# Altium PCB ecoVENTV_v1.1.PcbDoc (part 3 of 3) (continued)
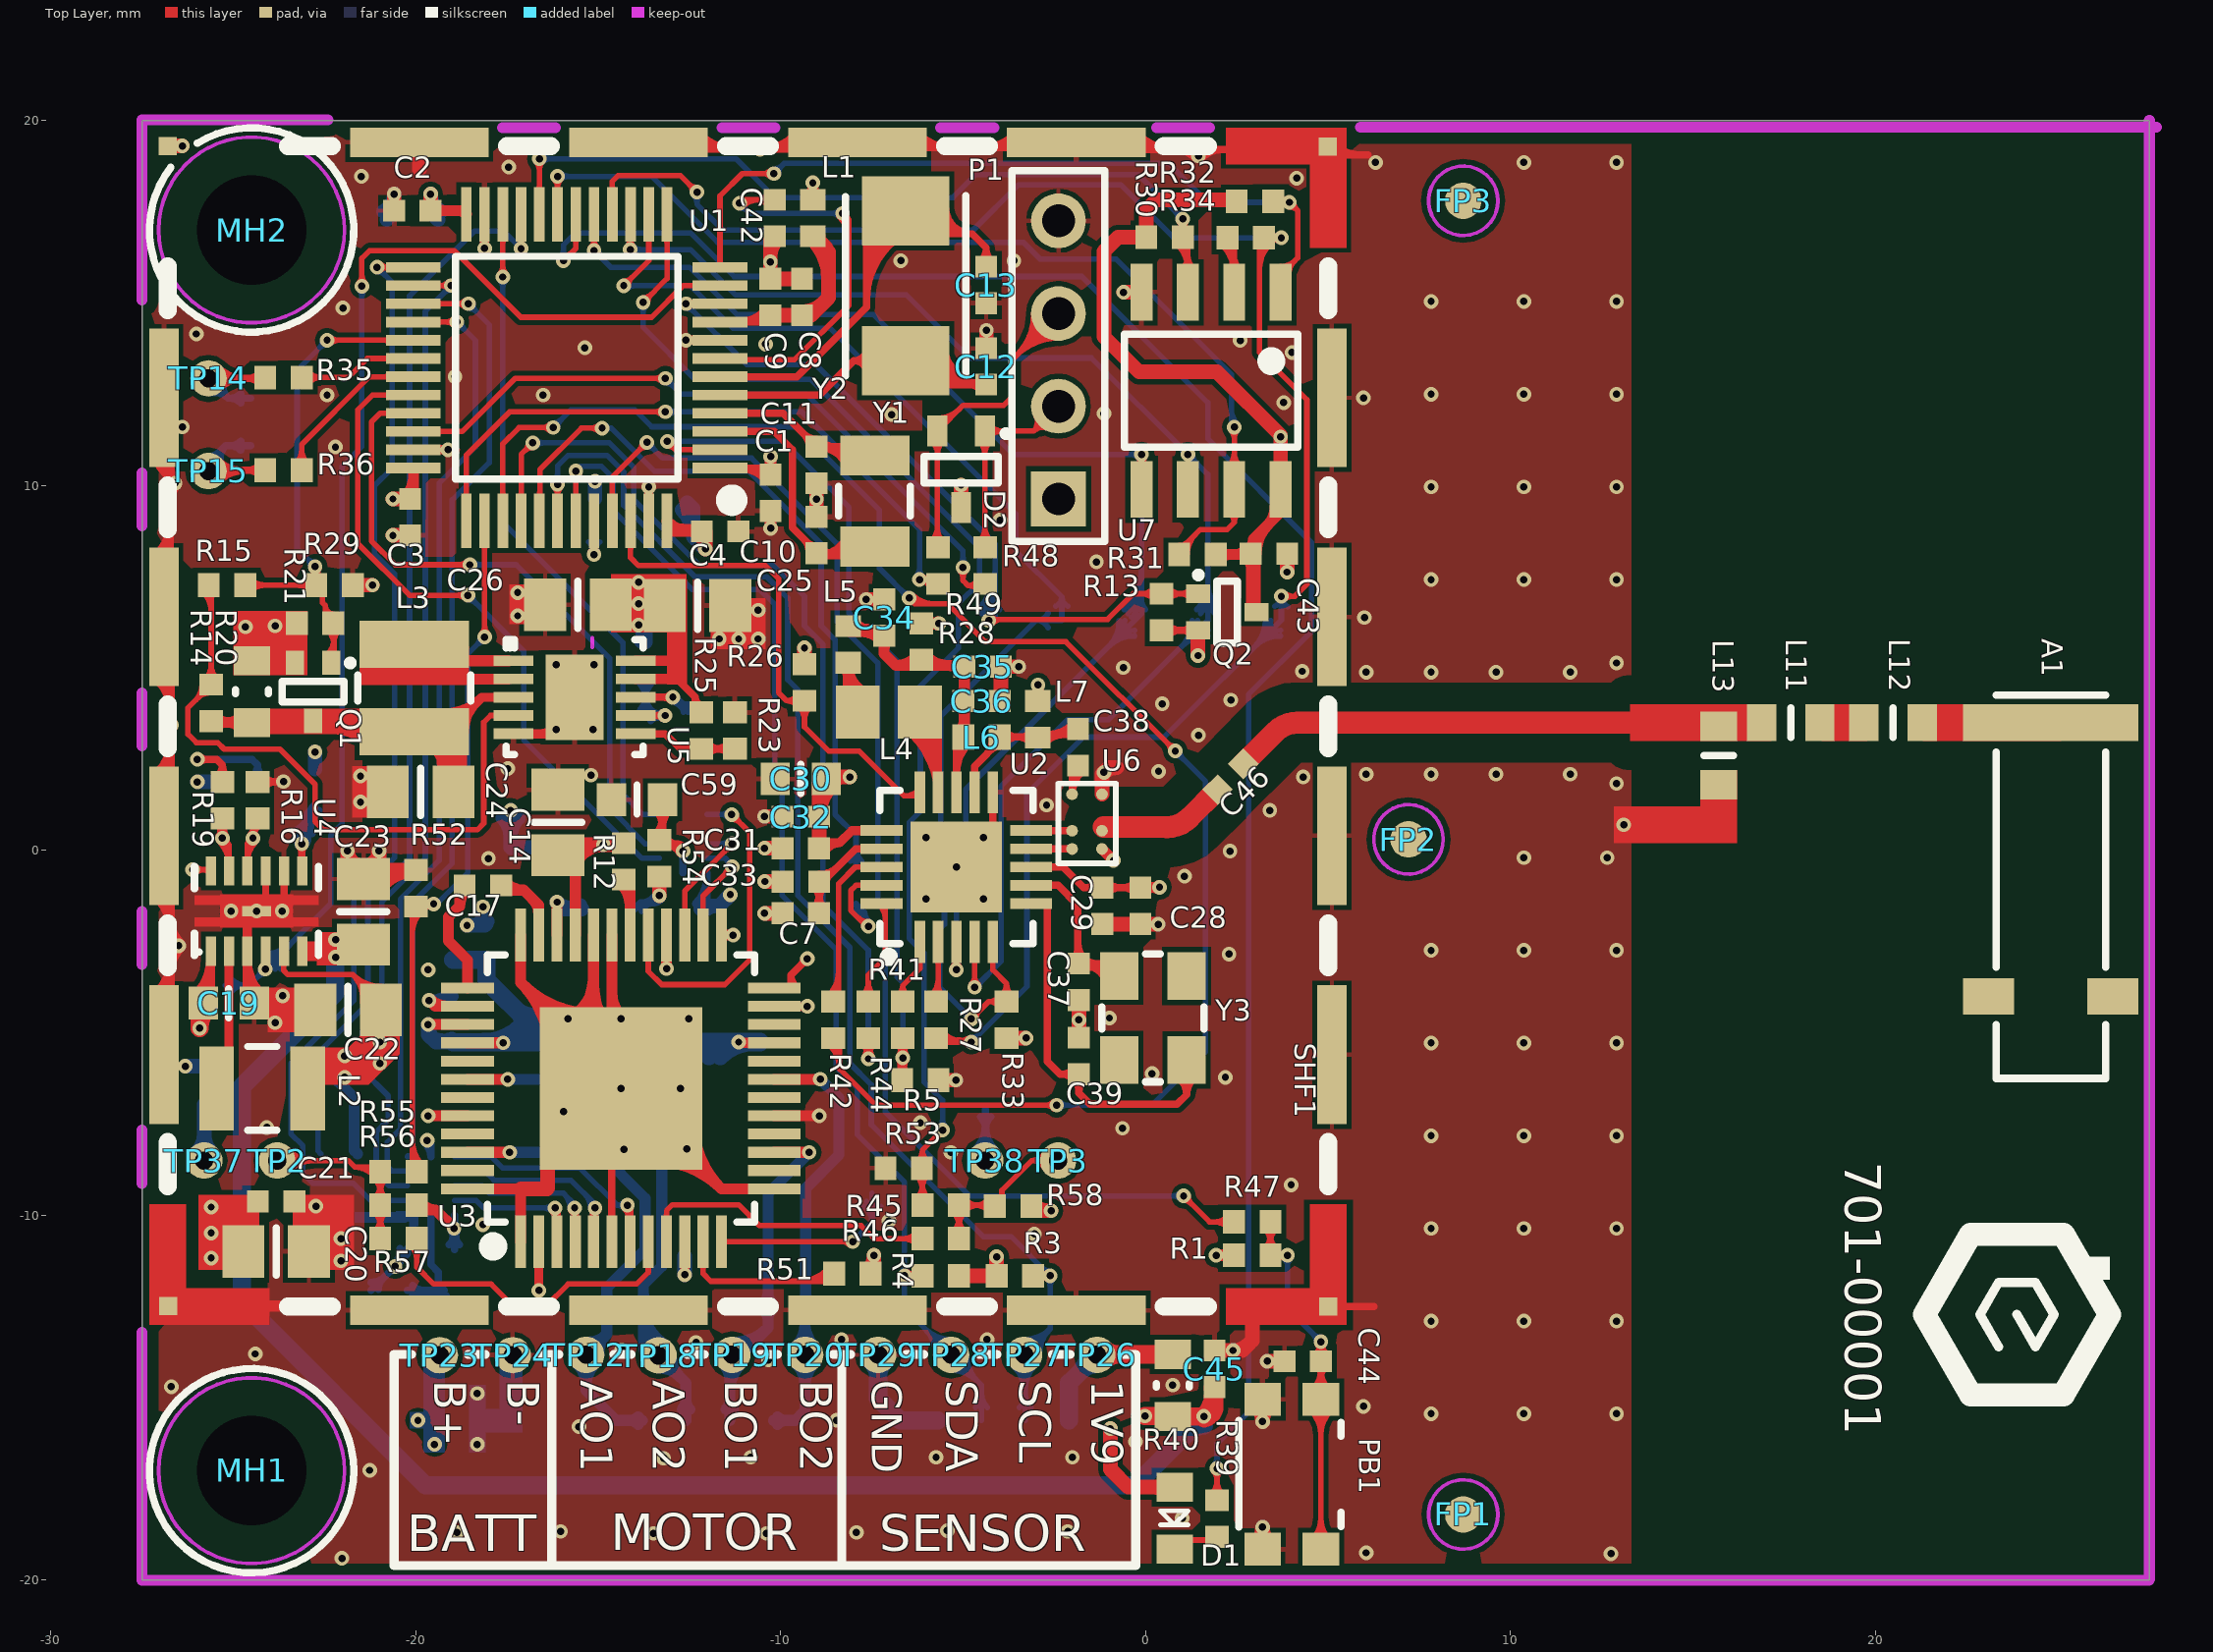
[diagram p0: Top Layer view]
## Nets (pads, with @x,y where several pads share a name; then routed paths per layer and width w, separated by ;. In a path a pad name is that pad's centre, name@x,y a point inside that pad or via, vN(x,y) a via of type N, cw(c..) or ccw(c..) an arc to the next point about the centre after c; other vN are vias at no path point) (continued)
SPI1_CLK: TP32.1 U1.15 U2.4 U7.6 | length 47.3
  Top Layer w0.15: v1@-14.214,16.551 ccw(c-14.45,16.787) U1.15@-14.116,16.787 ; v1@-14.188,16.571 ccw(c-14.27,16.713) -14.112,16.67 ccw(c-14.031,16.648) v1@-14.069,16.574 ; U1.15@-14.166,16.773 cw(c-14.285,16.653) -14.116,16.653 cw(c-13.947,16.653) U1.15@-14.067,16.773 ; v1@-14.116,16.462 U1.15@-14.116,17.427 ; U1.15@-14.116,16.741 ccw(c-13.847,16.741) v1@-14.037,16.551 ; v1@-4.777,-3.665 ccw(c-4.99,-3.452) -4.688,-3.452 ccw(c-4.387,-3.452) v1@-4.6,-3.665 ; U2.4@-4.738,-2.987 cw(c-4.857,-3.107) -4.688,-3.107 cw(c-4.519,-3.107) U2.4@-4.639,-2.987 ; v1(-4.688,-3.754) U2.4@-4.688,-2.508 ; U7.6@1.155,9.467 U7.6@1.155,9.893
  Bottom Layer w0.15: v1(-14.126,16.462) -12.475,16.462 -11.23,15.218 -6.556,15.218 -4.829,13.491 -1.487,13.491 v1(1.155,10.849) 1.7,10.304 TP32.1@1.7,6.3 -1.015,3.585 -2.137,3.585 -3.966,1.756 -3.966,-3.045 -4.675,-3.754 v1(-4.688,-3.754) ; v1@-14.037,16.374 cw(c-13.824,16.161) -13.824,16.462 cw(c-13.824,16.764) v1@-14.037,16.551 ; v1@-4.688,-3.629 ccw(c-4.688,-3.294) -4.451,-3.531 ; v1@-4.563,-3.754 cw(c-4.295,-3.754) -4.485,-3.564 ; v1@1.03,10.849 ccw(c0.728,10.849) 0.942,11.062 ccw(c1.155,11.276) v1@1.155,10.974 ; v1@1.155,10.724 cw(c1.155,10.422) 1.368,10.636 cw(c1.582,10.849) v1@1.28,10.849 ; TP32.1@1.275,6.3 cw(c0.249,6.3) 0.974,5.574 cw(c1.7,4.849) TP32.1@1.7,5.875 ; TP32.1@1.399,6.601 ccw(c0.674,7.326) 1.7,7.326 ccw(c2.726,7.326) TP32.1@2.001,6.601 ; TP32.1@1.425,6.3 cw(c0.761,6.3) 1.231,5.831 cw(c1.7,5.361) TP32.1@1.7,6.025 ; TP32.1@1.506,6.494 ccw(c1.036,6.964) 1.7,6.964 ccw(c2.364,6.964) TP32.1@1.894,6.494
SPI1_MISO: R27.2 R34.2 TP30.1 U1.16 | length 62
  Top Layer w0.15: U1.16@-14.666,18.082 ccw(c-14.785,18.201) -14.616,18.201 ccw(c-14.447,18.201) U1.16@-14.567,18.082 ; U1.16@-14.616,17.427 -14.616,18.334 -14.456,18.494 -12.754,18.494 v1(-12.297,18.037) ; v1@-12.422,18.037 ccw(c-12.724,18.037) -12.51,18.251 ccw(c-12.297,18.464) v1@-12.297,18.162 ; R27.2@-5.744,-5.145 -5.634,-5.255 v1(-4.778,-5.255) ; R27.2@-5.666,-5.092 ccw(c-5.273,-4.699) -5.273,-5.255 ; R27.2@-5.559,-4.986 ccw(c-4.911,-4.337) v1@-4.911,-5.255 ; -5.159,-5.188 ccw(c-5.05,-4.784) v1@-4.841,-5.146 ; -4.999,-5.231 cw(c-5.047,-5.409) v1@-4.887,-5.317 ; v1@-4.867,-5.343 ccw(c-5.08,-5.556) -5.08,-5.255 ccw(c-5.08,-4.953) v1@-4.867,-5.166 ; 3.121,15.929 cw(c4.07,15.929) R34.2@3.399,16.6 ; 3.121,16.291 cw(c3.708,16.291) R34.2@3.293,16.706 ; R34.2@3.414,16.642 cw(c3.715,16.395) v1(3.715,16.784) ; R34.2@3.414,16.927 ccw(c3.715,17.174) v1(3.715,16.784) ; v1@3.593,16.76 ccw(c3.495,16.74) 3.521,16.837 ccw(c3.546,16.933) v1@3.622,16.867 ; v1@3.593,16.809 cw(c3.495,16.829) 3.521,16.732 cw(c3.546,16.635) v1@3.622,16.702 ; v1@3.627,16.696 ccw(c3.414,16.483) 3.414,16.784 ccw(c3.414,17.086) v1@3.627,16.873 ; v1(3.715,6.963) 4.086,6.963 4.416,7.293 4.416,12.348 3.121,13.643 3.121,16.665 R34.2@3.24,16.784 v1(3.715,16.784) ; v1@3.804,6.874 cw(c4.017,6.661) 4.017,6.963 cw(c4.017,7.265) v1@3.804,7.051
  Bottom Layer w0.15: v1@-12.385,17.949 cw(c-12.599,17.735) -12.297,17.735 cw(c-11.995,17.735) v1@-12.208,17.949 ; v1(-12.297,18.037) -12.297,17.707 -11.586,16.996 -4.728,16.996 -3.483,18.24 -0.689,18.24 0.767,16.784 v1(3.715,16.784) ; v1(-4.778,-5.255) -3.254,-3.731 -3.254,1.553 -1.705,3.102 0.505,3.102 3.715,6.313 v1(3.715,6.963) ; v1@-4.778,-5.13 ccw(c-4.778,-4.828) -4.565,-5.041 ccw(c-4.352,-5.255) v1@-4.653,-5.255 ; 2.973,5.57 ccw(c2.242,6.3) TP30.1@3.275,6.3 ; 2.979,5.576 cw(c3.7,4.856) TP30.1@3.7,5.875 ; 3.229,5.826 ccw(c2.754,6.3) TP30.1@3.425,6.3 ; 3.235,5.833 cw(c3.7,5.368) TP30.1@3.7,6.025 ; TP30.1@3.535,6.692 ccw(c3.421,6.963) v1(3.715,6.963) ; v1@3.627,6.874 cw(c3.414,6.661) 3.715,6.661 cw(c4.017,6.661) v1@3.804,6.874 ; v1@3.627,16.696 ccw(c3.414,16.483) 3.414,16.784 ccw(c3.414,17.086) v1@3.627,16.873 ; TP30.1@3.89,6.68 cw(c4.031,6.963) v1(3.715,6.963)
SPI1_MOSI: TP31.1 U1.17 U2.3 U7.5 | length 47.4
  Top Layer w0.15: v1@-15.205,16.524 ccw(c-15.418,16.738) -15.116,16.738 ccw(c-14.814,16.738) v1@-15.028,16.524 ; U1.17@-15.166,16.773 cw(c-15.285,16.653) -15.116,16.653 cw(c-14.947,16.653) U1.17@-15.067,16.773 ; v1(-15.116,16.436) U1.17@-15.116,17.427 ; v1@-5.277,-3.185 ccw(c-5.49,-2.972) -5.188,-2.972 ccw(c-4.887,-2.972) v1@-5.1,-3.185 ; U2.3@-5.238,-2.987 cw(c-5.357,-3.107) -5.188,-3.107 cw(c-5.019,-3.107) U2.3@-5.139,-2.987 ; v1(-5.188,-3.273) U2.3@-5.188,-2.508 ; U7.5@-0.259,10.541 ccw(c-0.516,10.849) v1(-0.115,10.849) ; v1@-0.203,10.761 cw(c-0.417,10.547) -0.115,10.547 cw(c0.187,10.547) v1@-0.027,10.761 ; v1@-0.2,10.757 cw(c-0.275,10.677) -0.169,10.649 cw(c-0.063,10.62) v1@-0.087,10.727 ; v1@-0.143,10.727 cw(c-0.167,10.62) -0.061,10.649 cw(c0.045,10.677) v1@-0.03,10.757 ; U7.5@-0.115,9.893 v1(-0.115,10.849) ; U7.5@0.029,10.541 cw(c0.286,10.849) v1(-0.115,10.849)
  Bottom Layer w0.15: v1@-15.116,16.311 cw(c-15.116,16.009) -14.903,16.222 cw(c-14.689,16.436) v1@-14.991,16.436 ; v1(-15.116,16.436) -14.66,15.98 -12.5,15.98 -11.205,14.684 -7.471,14.684 -3.635,10.849 v1(-0.115,10.849) -0.115,6.485 TP31.1@-0.3,6.3 -4.931,1.669 -4.931,0.054 -4.753,-0.123 -4.753,-0.784 -5.188,-1.22 v1(-5.188,-3.273) ; v1@-5.277,-3.185 ccw(c-5.49,-2.972) -5.188,-2.972 ccw(c-4.887,-2.972) v1@-5.1,-3.185 ; TP31.1@-0.725,6.3 cw(c-1.751,6.3) -1.026,5.574 cw(c-0.3,4.849) TP31.1@-0.3,5.875 ; TP31.1@-0.601,6.601 ccw(c-1.773,7.773) -0.115,7.773 ; TP31.1@-0.575,6.3 cw(c-1.239,6.3) -0.769,5.831 cw(c-0.3,5.361) TP31.1@-0.3,6.025 ; TP31.1@-0.494,6.494 ccw(c-1.411,7.411) -0.115,7.411 ; TP31.1@-0.388,6.388 ccw(c-1.048,7.048) -0.115,7.048 ; v1@-0.203,10.937 cw(c-0.417,11.151) -0.417,10.849 cw(c-0.417,10.547) -0.203,10.761 cw(c-0.417,10.547) -0.115,10.547 cw(c0.187,10.547) v1@-0.027,10.761 ; -0.115,6.879 ccw(c0.279,6.879) TP31.1@0.001,6.601
SPI2_CLK: U1.26 U9.3 | length 29
  Top Layer w0.15: U1.26@-20.066,15.477 v1(-19.028,15.477) ; U1.26@-19.412,15.428 cw(c-19.292,15.308) -19.292,15.477 cw(c-19.292,15.646) U1.26@-19.412,15.527 ; v1@-19.116,15.389 ccw(c-19.33,15.175) -19.33,15.477 ccw(c-19.33,15.779) v1@-19.116,15.565
  Bottom Layer w0.15: U9.3@-20.237,-9.192 -20.73,-9.192 -21.085,-8.836 -21.085,-7.718 -20.755,-7.388 -20.755,-6.728 -21.466,-6.017 -21.466,-4.95 -20.933,-4.416 -20.933,-1.419 -19.739,-0.225 -19.739,14.766 v1(-19.028,15.477) ; v1@-19.153,15.477 cw(c-19.455,15.477) -19.241,15.264 cw(c-19.028,15.05) v1@-19.028,15.352
SPI2_CS: U1.25 U9.2 | length 32.2
  Top Layer w0.15: v1(-21.06,15.98) -21.057,15.977 U1.25@-20.066,15.977 ; v1@-20.971,15.891 cw(c-20.765,15.685) U1.25@-20.765,15.977 ; v1@-20.971,16.068 ccw(c-20.751,16.288) U1.25@-20.751,15.977 ; U1.25@-20.721,15.928 ccw(c-20.84,15.808) -20.84,15.977 ccw(c-20.84,16.146) U1.25@-20.721,16.027
  Bottom Layer w0.15: v1@-21.111,15.98 v1(-21.06,15.98) -20.653,15.573 -20.653,10.468 -21.136,9.985 -21.136,8.131 -20.576,7.571 -20.576,-0.199 -21.695,-1.318 -21.695,-4.112 -23.422,-5.839 -23.422,-7.769 -23.092,-8.099 -23.092,-8.861 -22.825,-9.128 -21.707,-9.128 -21.244,-9.592 U9.2@-20.237,-9.592 ; v1@-21.06,15.855 cw(c-21.06,15.553) -20.846,15.766 cw(c-20.633,15.98) v1@-20.935,15.98
SPI2_MISO: U1.27 U9.5 | length 27.3
  Top Layer w0.15: U1.27@-20.066,14.977 v1(-18.558,14.977) ; U1.27@-19.412,14.928 cw(c-19.292,14.808) -19.292,14.977 cw(c-19.292,15.146) U1.27@-19.412,15.027 ; v1@-18.647,14.889 ccw(c-18.86,14.675) -18.86,14.977 ccw(c-18.86,15.279) v1@-18.647,15.065
  Bottom Layer w0.15: U9.5@-20.237,-8.392 -20.222,-8.377 -20.09,-8.377 -20.09,-1.44 -19.002,-0.352 -19.002,9.604 -17.986,10.62 -17.986,14.405 v1(-18.558,14.977) ; v1@-18.558,14.852 cw(c-18.558,14.55) -18.345,14.764 cw(c-18.132,14.977) v1@-18.433,14.977
SPI2_MOSI: U1.28 U9.4 | length 27.4
  Top Layer w0.15: U1.28@-20.066,14.477 v1@-18.875,14.477 ; U1.28@-19.412,14.428 cw(c-19.292,14.308) -19.292,14.477 cw(c-19.292,14.646) U1.28@-19.412,14.527 ; -19.187,14.477 ccw(c-19.187,14.793) v1@-18.964,14.57 ; -19.167,14.477 cw(c-19.167,14.19) v1@-18.964,14.393
  Bottom Layer w0.15: U9.4@-20.237,-8.792 -20.647,-8.792 -20.78,-8.658 -20.78,-7.998 -20.425,-7.642 -20.425,-1.343 -19.358,-0.276 -19.358,10.062 -18.367,11.052 -18.367,13.973 v1(-18.875,14.481) ; v1@-18.875,14.356 cw(c-18.875,14.054) -18.662,14.268 cw(c-18.449,14.481) v1@-18.75,14.481
SWCLK: D2.2 P1.3 R49.1 | length 17.1
  Top Layer w0.15: R49.1@-5.877,8.46 ccw(c-6.285,8.868) -5.708,8.868 ; D2.2@-5.849,11.201 cw(c-6.191,10.86) -5.708,10.86 cw(c-5.225,10.86) D2.2@-5.566,11.201 ; R49.1@-5.708,8.265 D2.2@-5.708,11.493 -5.005,12.195 -3.889,12.195 -3.635,12.449 -3.635,13.465 P1.3@-2.391,14.71 ; -5.708,8.82 ccw(c-5.199,8.82) R49.1@-5.559,8.46 ; D2.2@-5.708,11.693 ccw(c-5.708,12.175) -5.366,11.834 ; D2.2@-5.708,11.843 ccw(c-5.708,12.688) -5.11,12.09 ; P1.3@-3.066,14.71 cw(c-4.695,14.71) -3.543,13.558 cw(c-2.391,12.405) P1.3@-2.391,14.035 ; P1.3@-2.916,14.71 cw(c-4.183,14.71) -3.287,13.814 cw(c-2.391,12.917) P1.3@-2.391,14.185 ; P1.3@-2.766,14.71 cw(c-3.671,14.71) -3.031,14.07 cw(c-2.391,13.429) P1.3@-2.391,14.335
SWDIO: D2.1 P1.2 R48.1 | length 8.8
  Top Layer w0.15: R48.1@-4.556,8.46 ccw(c-4.915,8.819) -4.408,8.819 ; D2.1@-4.549,11.201 cw(c-4.891,10.86) -4.408,10.86 cw(c-3.925,10.86) D2.1@-4.266,11.201 ; -4.408,8.869 ccw(c-3.829,8.869) R48.1@-4.238,8.46 ; R48.1@-4.397,8.25 -4.408,8.261 D2.1@-4.408,11.493 -3.068,11.493 ; D2.1@-4.266,11.351 cw(c-3.925,11.01) -3.925,11.493 cw(c-3.925,11.975) D2.1@-4.266,11.634 ; P1.2@-3.001,11.881 cw(c-3.31,11.734) -3.068,11.493 ; P1.2@-2.68,11.56 ccw(c-2.826,11.251) -3.068,11.493 ; P1.2@-2.391,12.17 -3.068,11.493
TX1: D3.2 R35.1 TP14.1 | length 6.9
  Top Layer w0.2: TP14.1@-25.683,12.932 -24.151,12.932 R35.1@-24.125,12.957 ; TP14.1@-25.4,12.649 cw(c-24.717,11.966) -24.717,12.932 cw(c-24.717,13.897) TP14.1@-25.4,13.215 ; -24.609,12.932 ccw(c-24.609,13.416) R35.1@-24.267,13.074 ; -24.607,12.932 cw(c-24.607,12.45) R35.1@-24.267,12.791
  Bottom Layer w0.2: TP14.1@-25.683,12.932 -25.139,12.388 ; TP14.1@-25.613,12.538 cw(c-25.52,12.007) -25.139,12.388 ; TP14.1@-25.289,12.863 ccw(c-24.758,12.769) -25.139,12.388 ; D3.2@-24.797,12.264 ccw(c-25.095,11.966) -25.095,12.388 ccw(c-25.095,12.81) D3.2@-24.797,12.512 ; D3.2@-24.523,12.388 -25.139,12.388
USART1_RX: R36.2 U1.31 | length 5.6
  Top Layer w0.15: R36.2@-23.284,10.601 ccw(c-23.668,10.985) -23.125,10.985 ccw(c-22.582,10.985) R36.2@-22.966,10.601 ; R36.2@-23.125,10.417 -23.125,11.12 -21.269,12.977 U1.31@-20.066,12.977 ; U1.31@-20.721,12.928 ccw(c-20.84,12.808) -20.84,12.977 ccw(c-20.84,13.146) U1.31@-20.721,13.027
USART1_TX: R35.2 U1.30 | length 4.4
  Top Layer w0.15: R35.2@-23.125,12.957 -21.847,12.957 -21.327,13.477 U1.30@-20.066,13.477 ; R35.2@-22.966,12.798 cw(c-22.582,12.414) -22.582,12.957 cw(c-22.582,13.5) R35.2@-22.966,13.116 ; U1.30@-20.721,13.428 ccw(c-20.84,13.308) -20.84,13.477 ccw(c-20.84,13.646) U1.30@-20.721,13.527
VIN: C19.1 C20.1 C21.1 C28.1 C29.1 C30.1 C31.1 C32.1 L7.2 P3.2 Q1.2 R17.1 R19.1 R20.2 R21.1 R26.1 R28.1 R33.1 TP6.1 TP23.1 U2.8 U2.16 U4.1 U4.12 | length 29.6
  Top Layer w0.15: v1(-26.114,-0.53) U4.12@-25.613,-0.53 ; v1@-26.026,-0.619 cw(c-25.813,-0.832) -25.813,-0.53 cw(c-25.813,-0.228) v1@-26.026,-0.442 ; -25.849,-0.53 cw(c-25.849,-0.798) U4.12@-25.659,-0.609
  Top Layer w0.2: v1(-25.987,2.492) -25.454,2.492 -25.302,2.34 ; v1@-25.917,2.422 cw(c-25.746,2.251) -25.746,2.492 cw(c-25.746,2.734) v1@-25.917,2.563 ; v1@-25.632,-9.75 v1(-25.606,-9.776) ; R19.1@-25.439,2.02 ccw(c-25.743,2.34) -25.302,2.34 ; R19.1@-25.302,1.875 -25.302,2.34 ; R19.1@-25.164,2.02 cw(c-24.861,2.34) -25.302,2.34 ; U2.8@-3.238,-0.458 -2.261,-0.458 -1.698,-1.021 C29.1@-1.19,-1.021 C28.1@-0.149,-1.021 0.37,-1.021 v1(0.378,-1.013) ; C29.1@-1.332,-1.162 ccw(c-1.673,-1.504) -1.673,-1.021 ccw(c-1.673,-0.538) C29.1@-1.332,-0.879 ; C29.1@-1.049,-1.162 cw(c-0.707,-1.504) -0.707,-1.021 cw(c-0.707,-0.538) C29.1@-1.049,-0.879 ; C28.1@-0.29,-1.162 ccw(c-0.632,-1.504) -0.632,-1.021 ccw(c-0.632,-0.538) C28.1@-0.29,-0.879 ; C28.1@-0.007,-1.162 cw(c0.334,-1.504) 0.334,-1.021 cw(c0.334,-0.538) C28.1@-0.007,-0.879 ; C28.1@0.117,-1.021 ccw(c0.117,-0.752) v1@0.307,-0.942 ; C28.1@0.125,-0.965 ccw(c0.186,-0.736) v1@0.321,-0.931 ; C28.1@0.135,-1.074 cw(c0.201,-1.319) v1@0.328,-1.099 ; 0.152,-1.07 ccw(c0.093,-0.848) v1@0.291,-0.963 ; 0.156,-1.021 cw(c0.156,-1.235) v1@0.307,-1.084
  Top Layer w0.25: C19.1@-26.018,-3.943 ccw(c-26.973,-2.988) U4.1@-25.623,-2.988 ; C19.1@-26.009,-4.325 -25.924,-4.239 -25.924,-4.188 -25.623,-3.887 U4.1@-25.623,-2.684 ; C19.1@-25.841,-4.12 ccw(c-26.37,-3.592) -25.623,-3.592 ; C31.1@-8.952,0.21 -8.385,0.21 ; C31.1@-8.799,-0.032 cw(c-8.385,-0.265) -8.385,0.21 ; U2.16@-7.138,0.542 -8.054,0.542 -8.385,0.21
  Top Layer w0.254: R28.1@-6.15,6.218 v1(-5.667,6.218) ; R28.1@-6.003,6.096 cw(c-5.707,5.801) -5.707,6.218 cw(c-5.707,6.636) R28.1@-6.003,6.341 ; R28.1@-5.864,6.176 cw(c-5.81,5.972) v1@-5.704,6.155 ; R28.1@-5.864,6.26 ccw(c-5.81,6.465) v1@-5.704,6.281
  Top Layer w0.3: L7.2@-3.059,4.197 ccw(c-3.315,4.453) -2.953,4.453 ccw(c-2.591,4.453) L7.2@-2.847,4.197 ; L7.2@-2.953,4.091 v1(-2.953,4.531)
  Top Layer w0.4: R26.1@-9.35,5.101 v1(-9.35,5.549) ; C31.1@-8.952,0.054 -8.952,0.21 C32.1@-8.952,0.922 -8.952,1.837 -8.779,2.01 v1(-8.106,2.01) ; C32.1@-8.952,0.943 cw(c-7.786,0.943) C30.1@-8.611,1.768 ; C30.1@-8.611,1.868 cw(c-8.267,1.524) v1@-8.267,2.01 ; C30.1@-8.611,2.15 ccw(c-8.271,2.49) v1@-8.271,2.01 ; R33.1@-3.813,-5.145 v1(-3.28,-5.145)
  Top Layer w0.5: v1(-25.924,-4.874) C19.1@-25.924,-4.188 ; v1@-25.924,-4.841 cw(c-25.22,-4.841) C19.1@-25.718,-4.344
  Bottom Layer w0.2: v1(-25.987,2.492) -24.489,2.492 -24.336,2.34 ; v1@-25.917,2.422 cw(c-25.746,2.251) -25.746,2.492 cw(c-25.746,2.734) v1@-25.917,2.563 ; R17.1@-24.474,2.02 ccw(c-24.777,2.34) -24.336,2.34 ; R17.1@-24.336,1.875 -24.336,2.34 ; R17.1@-24.199,2.02 cw(c-23.895,2.34) -24.336,2.34
  other v1: -19.485,-16.278 -19.942,-15.618 -25.606,-11.173 -25.606,-10.487 -24.667,6.125 -23.854,6.15
VSEL1: R18.2 R19.2 U4.11 | length 8.4
  Top Layer w0.15: R19.2@-25.46,0.715 cw(c-25.84,0.333) v1(-25.302,0.333) ; v1@-25.406,0.402 ccw(c-25.614,0.538) -25.374,0.603 ccw(c-25.134,0.667) v1@-25.245,0.445 ; v1@-25.39,0.245 cw(c-26.058,-0.423) U4.11@-25.113,-0.423 ; v1@-25.39,0.422 ccw(c-25.603,0.635) -25.302,0.635 ccw(c-25,0.635) v1@-25.213,0.422 ; v1@-25.358,0.445 ccw(c-25.47,0.667) -25.229,0.603 ccw(c-24.989,0.538) v1@-25.197,0.402 ; R19.2@-25.302,0.875 v1(-25.302,0.333) ; v1@-25.29,0.209 cw(c-25.27,-0.011) -25.113,0.145 ; v1@-25.284,0.351 cw(c-25.696,-0.061) -25.113,-0.061 ; v1@-25.177,0.322 ccw(c-24.957,0.301) -25.113,0.145 ; U4.11@-25.159,-0.257 ccw(c-25.27,-0.146) -25.113,-0.146 ccw(c-24.956,-0.146) U4.11@-25.067,-0.257 ; R19.2@-25.143,0.715 ccw(c-24.763,0.333) v1(-25.302,0.333) ; U4.11@-25.113,-0.713 U4.11@-25.113,-0.563 -25.113,0.145 ; v1(-25.302,0.333) -25.113,0.145
  Bottom Layer w0.15: R18.2@-25.46,0.715 cw(c-25.84,0.333) v1(-25.302,0.333) ; v1@-25.406,0.402 ccw(c-25.614,0.538) -25.374,0.603 ccw(c-25.134,0.667) v1@-25.245,0.445 ; v1@-25.39,0.422 ccw(c-25.603,0.635) -25.302,0.635 ccw(c-25,0.635) v1@-25.213,0.422 ; v1@-25.358,0.445 ccw(c-25.47,0.667) -25.229,0.603 ccw(c-24.989,0.538) v1@-25.197,0.402 ; R18.2@-25.302,0.875 v1(-25.302,0.333) ; R18.2@-25.143,0.715 ccw(c-24.763,0.333) v1(-25.302,0.333)
VSEL2: R16.2 R17.2 U4.10 | length 6.4
  Top Layer w0.15: U4.10@-24.623,-0.784 -24.623,0.174 ; U4.10@-24.623,-0.353 cw(c-23.777,-0.353) v1@-24.375,0.245 ; -24.623,-0.124 ccw(c-24.434,-0.124) U4.10@-24.567,-0.257 ; -24.623,0.009 cw(c-24.139,0.009) v1@-24.481,0.351 ; v1@-24.585,0.305 cw(c-24.722,0.273) -24.623,0.174 ; v1@-24.552,0.422 ccw(c-24.765,0.635) -24.463,0.635 ccw(c-24.162,0.635) v1@-24.375,0.422 ; R16.2@-24.52,0.716 cw(c-24.658,0.578) R16.2@-24.463,0.578 ; v1@-24.492,0.212 ccw(c-24.523,0.075) -24.623,0.174 ; v1@-24.463,0.324 cw(c-24.061,0.324) R16.2@-24.254,0.677 ; R16.2@-24.463,0.577 cw(c-24.199,0.577) R16.2@-24.325,0.809 ; R16.2@-24.463,0.748 v1(-24.463,0.333) -24.623,0.174
  Bottom Layer w0.15: v1@-24.552,0.422 ccw(c-24.765,0.635) -24.463,0.635 ccw(c-24.162,0.635) v1@-24.375,0.422 ; R17.2@-24.52,0.716 cw(c-24.658,0.578) R17.2@-24.463,0.578 ; v1@-24.463,0.324 cw(c-24.061,0.324) R17.2@-24.254,0.677 ; v1(-24.463,0.333) -24.463,0.748 R17.2@-24.336,0.875 ; R17.2@-24.463,0.577 cw(c-24.199,0.577) R17.2@-24.325,0.809
pads on no net: A1.2 A1.3 FP1.0 FP2.0 FP3.0 FP4.0 FP5.0 FP6.0 MH1. MH2. P2.5 P2.6 P3.3 P3.4 P4.5 P4.6 U3.14 U3.16 U3.18 U3.20 U3.22 U3.41 U3.43 U3.45 U3.47 U10.4 U10.8 Y3.2 Y3.4

## Polygon pours and split planes (outlines as drawn)
GND on Bottom Layer "Bot Layer-GND FILL" (solid, remove dead copper, pour order 10): -27.051,-20.01 27.5,-20.01 27.5,19.558 -27.051,19.558
GND on Top Layer "Top Layer-GND FILL" (solid, remove dead copper, pour order 7): -27.5,-20 27.5,-20 27.5,20 -22.5,20 -22.5,15 -27.5,15
GND on GND (split plane): 13.3,-19.598 -27.098,-19.598 -27.098,19.598 13.3,19.598
1V9_LS on POWER (split plane): -12.729,-0.903 -12.729,-8.108 -14.269,-9.648 -19.663,-9.648 -19.702,-9.656 -19.735,-9.678 -19.757,-9.711 -19.765,-9.75 -19.765,-11.02 -19.765,-11.613 -20.035,-11.884 -20.992,-11.884 -21.212,-11.664 -21.212,-8.684 -14.811,-8.684 -14.772,-8.676 -14.739,-8.654 -14.511,-8.425 -14.489,-8.392 -14.481,-8.353 -14.481,-1.013 -14.489,-0.974 -14.511,-0.941 -14.528,-0.924 -14.435,-0.831 -14.236,-0.632 -12.999,-0.632
5V on POWER (split plane): -12.496,7.17 -12.463,7.148 -12.424,7.14 -10.722,7.14 -10.722,4.175 -10.715,4.136 -10.692,4.103 -9.706,3.117 -9.706,-1.756 -9.706,-5.839 -9.699,-5.878 -9.676,-5.911 -9.643,-5.933 -9.604,-5.941 -1.807,-5.941 -1.807,-10.41 -5.464,-10.41 -5.503,-10.418 -5.536,-10.44 -7.183,-12.087 -13.347,-12.087 -14.485,-10.948 -14.518,-10.926 -14.557,-10.918 -19.561,-10.918 -19.561,-9.852 -14.227,-9.852 -14.188,-9.845 -14.155,-9.822 -12.555,-8.222 -12.533,-8.189 -12.525,-8.15 -12.525,-0.86 -12.533,-0.821 -12.555,-0.788 -12.885,-0.458 -12.918,-0.436 -12.957,-0.428 -14.278,-0.428 -14.317,-0.436 -14.35,-0.458 -14.579,-0.687 -16.606,-2.714 -18.833,-2.714 -19.078,-2.469 -19.078,5.048 -16.173,7.953 -13.279,7.953
1V9 on POWER (split plane): 7.566,7.344 7.363,7.344 7.324,7.336 7.291,7.314 4.73,4.753 -0.596,4.753 -3.157,7.314 -3.19,7.336 -3.229,7.344 -12.382,7.344 -13.165,8.127 -13.198,8.149 -13.237,8.157 -16.215,8.157 -16.254,8.149 -16.287,8.127 -19.252,5.162 -19.274,5.129 -19.282,5.09 -19.282,-2.511 -19.274,-2.55 -19.252,-2.583 -18.947,-2.888 -18.914,-2.91 -18.875,-2.918 -16.564,-2.918 -16.525,-2.91 -16.492,-2.888 -14.685,-1.081 -14.685,-8.311 -14.854,-8.48 -21.314,-8.48 -21.353,-8.488 -21.386,-8.51 -21.408,-8.543 -21.416,-8.582 -21.416,-11.706 -21.408,-11.745 -21.386,-11.778 -21.106,-12.058 -21.073,-12.08 -21.034,-12.088 -19.993,-12.088 -19.954,-12.08 -19.921,-12.058 -19.591,-11.727 -19.569,-11.694 -19.561,-11.655 -19.561,-11.122 -14.6,-11.122 -13.461,-12.261 -13.428,-12.283 -13.389,-12.291 -7.141,-12.291 -7.102,-12.283 -7.069,-12.261 -5.422,-10.614 -1.705,-10.614 -1.666,-10.607 -1.633,-10.584 -1.611,-10.551 -1.603,-10.512 -1.603,-5.941 2.536,-5.941 2.536,-16.354 -15.455,-16.354 -18.575,-13.234 -18.608,-13.212 -18.647,-13.204 -22.338,-13.204 -23.422,-12.121 -23.422,-6.728 -23.422,-5.712 -23.422,4.482 -23.02,4.884 -22.998,4.917 -22.99,4.956 -22.99,6.582 -22.998,6.621 -23.02,6.654 -23.502,7.136 -23.535,7.159 -23.574,7.166 -26.998,7.166 -26.998,19.498 7.566,19.498
VIN on POWER (split plane): 13.3,-19.498 -26.998,-19.498 -26.998,6.962 -23.617,6.962 -23.194,6.54 -23.194,4.998 -23.596,4.596 -23.618,4.563 -23.626,4.524 -23.626,-5.712 -23.626,-6.728 -23.626,-12.163 -23.618,-12.202 -23.596,-12.235 -22.453,-13.378 -22.42,-13.401 -22.381,-13.408 -18.689,-13.408 -15.569,-16.528 -15.536,-16.55 -15.497,-16.558 2.638,-16.558 2.677,-16.55 2.71,-16.528 2.733,-16.495 2.74,-16.456 2.74,-5.839 2.733,-5.8 2.71,-5.767 2.677,-5.745 2.638,-5.737 -9.502,-5.737 -9.502,-1.756 -9.502,3.159 -9.51,3.198 -9.532,3.231 -10.518,4.217 -10.518,7.14 -3.271,7.14 -0.71,4.579 -0.677,4.557 -0.638,4.549 4.772,4.549 4.811,4.557 4.844,4.579 7.405,7.14 7.668,7.14 7.707,7.148 7.74,7.17 7.762,7.203 7.77,7.242 7.77,19.498 13.3,19.498

## Keep-outs
Top Layer:
  lines w0.1: -15.167,5.566 -15.167,5.82
Keep-Out Layer:
  lines w0.2: 27.49,-19.985 27.502,-19.973
  lines w0.3: -27.5,-13.208 -27.5,-20 27.49,-20 ; -27.5,-9.123 -27.5,-7.671 ; -27.5,-3.128 -27.5,-1.676 ; -27.5,2.866 -27.5,4.318 ; -27.5,8.89 -27.5,10.342 ; -27.5,15.079 -27.5,20 ; -27.5,20.016 -22.403,20.016 ; -17.631,19.8 -16.179,19.8 ; -11.611,19.8 -10.159,19.8 ; -5.617,19.8 -4.165,19.8 ; 0.302,19.8 1.754,19.8 ; 5.89,19.816 13.769,19.816 27.7,19.816 ; 27.502,-19.973 27.502,20

## Other copper
Top Layer:
  rectangle net VIN: -24.997,4.804 -22.965,6.556
  rectangle net GND: -24.064,-4.982 -22.769,-3.763
  rectangle net SEN_PWR: -22.709,-3.159 -21.362,-2.244
  rectangle net SEN_PWR: -23.064,-3.032 -22.607,-2.498
  region net NetL3_2: -18.545,4.524 -18.545,5.591 -21.542,5.591 -21.542,4.524
  region net 5V: -12.561,4.542 -12.561,7.416 -13.12,7.416 -13.12,4.542
  rectangle net VIN: -25.962,-11.503 -24.286,-9.446
  rectangle net GND: -23.371,-11.503 -21.695,-9.446
  region net GND: -17.439,7.289 -17.439,6.197 -16.956,6.197 -16.956,7.289
  region net GND: -20.577,2.315 -21.746,2.315 -21.746,0.892 -20.577,0.892
  rectangle net 5V: -14.659,5.972 -12.576,7.568
  rectangle net GND: -11.916,5.515 -10.417,6.912
  rectangle net NetL11_2: 18.516,3 19.776,4
  rectangle net NetC46_2: 13.27,3 17.149,4
  rectangle net GND: 15.2,0.2 16.2,2.2
  region net GND: 15.32,0.2 15.32,1.2 12.83,1.2 12.83,0.2
  region net 1V9: -22.812,-5.407 -21.847,-5.407 -21.466,-5.026 -21.466,-4.874 -21.365,-4.772 -20.603,-4.772 -20.45,-4.924 -20.45,-5.585 -21.288,-6.423 -22.812,-6.423
  pour cut-out: 13.3,20 13.3,-20 27.5,-20 27.5,20
  pour cut-out: -19.3,-1.6 -19.3,-11.5 -9.4,-11.5 -9.4,-1.6
  pour cut-out: -27.5,-9.373 -27.5,-12.954 -24.054,-12.954 -24.054,-11.684 -26.289,-11.684 -26.289,-9.373
  pour cut-out: 2.02,-13.154 5.686,-13.154 5.686,-9.573 4.332,-9.573 4.332,-11.884 2.02,-11.884
  pour cut-out: 5.636,16.373 5.636,19.8 2.054,19.8 2.054,18.684 4.391,18.684 4.391,16.373
Bottom Layer:
  rectangle net GND: -17.707,-15.948 -17.072,-13.814
  rectangle net GND: -18.317,-15.948 -17.555,-15.313
  rectangle net GND: -18.545,-16.507 -18.088,-14.653
  rectangle net VIN: -19.79,-16.507 -19.206,-13.789
  rectangle net VIN: -20.171,-15.846 -19.561,-15.389
  pour cut-out: 13.3,-20 27.5,-20 27.5,20 13.3,20
GND (plane layer: these items are gaps in the copper):
  rectangle: 13.3,-20 27.5,20
POWER (plane layer: these items are gaps in the copper):
  rectangle: 13.3,-20 27.5,20
  lines w0.2: -27.334,7.064 -23.574,7.064 -23.092,6.582 -23.092,4.956 -23.524,4.524 -23.524,-5.712 -23.524,-6.728 -23.524,-12.163 -22.381,-13.306 -18.647,-13.306 -15.497,-16.456 -12.611,-16.456 2.638,-16.456 2.638,-5.839 -9.604,-5.839 -9.604,-1.756 -9.604,3.159 -10.62,4.175 -10.62,7.242 ; -14.659,-0.937 -14.583,-1.013 -14.583,-8.353 -14.811,-8.582 -17.174,-8.582 -21.314,-8.582 -21.314,-11.706 -21.034,-11.986 -19.993,-11.986 -19.663,-11.655 -19.663,-11.02 ; -1.705,-5.839 -1.705,-10.512 -5.464,-10.512 -7.141,-12.189 -13.389,-12.189 -14.557,-11.02 -19.663,-11.02 ; 25.761,19.8 7.219,19.8 7.668,19.8 7.668,7.242 7.363,7.242 4.772,4.651 -0.638,4.651 -3.229,7.242 -10.62,7.242 ; -19.663,-11.02 -19.663,-9.75 -14.227,-9.75 -12.627,-8.15 -12.627,-0.86 -12.957,-0.53 -14.278,-0.53 -14.507,-0.759 -16.564,-2.816 -18.875,-2.816 -19.18,-2.511 -19.18,5.09 -16.215,8.055 -13.237,8.055 -12.424,7.242 -10.62,7.242
  lines w0.203: -27.5,-0.925 -27.5,18.1 -27.5,19.98 -21.836,19.98 ; -21.636,19.78 -19.299,19.78

## Silkscreen, mask and mechanical layers (free items; w line width, h text height)
Top Overlay:
  circle w0.203: c-24.5,-17 r2.8
  region: 25.752,-11.137 25.752,-11.772 26.413,-11.772 26.413,-11.137
  lines w0.203: -26.716,18.712 ccw(c-24.5,17) -25.984,19.374
  lines w0.25: -20.12,-13.814 -20.594,-13.814 -20.594,-19.6 -0.274,-19.6 -0.274,-13.814 -0.613,-13.814 ; -18.571,-13.814 -18.096,-13.814 ; -16.589,-13.814 -16.276,-13.814 ; -16.276,-19.6 -16.276,-13.814 ; -16.081,-13.814 -16.276,-13.814 ; -14.575,-13.814 -14.1,-13.814 ; -12.576,-13.814 -12.102,-13.814 ; -10.57,-13.814 -10.095,-13.814 ; -8.563,-13.814 -8.089,-13.814 ; -8.326,-19.6 -8.326,-13.84 ; -6.556,-13.814 -6.082,-13.814 ; -4.558,-13.814 -4.084,-13.814 ; -2.551,-13.814 -2.077,-13.814
  lines w0.254: 23.365,-13.602 22.857,-12.722 23.365,-11.842 24.381,-11.842 24.889,-12.722 24.381,-13.602 23.873,-12.722
  lines w0.635: 21.333,-12.722 22.603,-14.922 25.143,-14.922 26.413,-12.722 25.143,-10.522 22.603,-10.522 21.333,-12.722
  text "701-00001" at 19.152,-8.534 h1 r270
  text "MOTOR" at -14.659,-19.18 h1
  text "BATT" at -20.247,-19.206 h1
  text "SENSOR" at -7.293,-19.206 h1
Bottom Overlay:
  region: 13.43,16.315 8.43,16.315 8.43,-9.685 13.43,-9.685
  text "PROG" at -2.111,18.393 h1
  text "GND" at -3.356,16.869 h1.3
  text "SWC" at -3.356,14.278 h1.3
  text "SWD" at -3.356,11.763 h1.3
  text "1V9" at -3.458,9.173 h1.3
  text "+" at -20.3,-14.985 h1
  text "-" at -16.85,-15.112 h1
  text "SN:" at 8.43,-16.685 h4 r270
  text "BATT" at -17.072,-17.675 h1
  text "MOTOR" at -9.681,-17.675 h1
  text "SENSOR" at -1.324,-17.675 h1
Mechanical 1:
  the board outline again, w0.203
BoardOutline:
  lines w0.2: 27.5,-20 27.5,-2.9 ; 27.7,-3.1 27.7,19.8
  lines w0.203: 27.5,-20 -27.5,-20 -27.5,20 27.5,20
Mechanical 9:
  lines w0.1: -16.88,-9.025 -11.88,-9.025 -11.88,-4.025 -16.88,-4.025 -16.88,-9.025

## Dimensions
27.5,-20 to -27.5,-20 on Dimensions
-27.5,-20 to 27.5,20 on Dimensions
-27.5,-20 to -24.5,-17 on Dimensions
-27.5,-20 to -24.5,17 on Dimensions
-27.5,-20 to 22.21,14.275 on Dimensions
-24.5,-17 to -27.5,20 on Dimensions